# Altium PCB InsaneKeyboard.PcbDoc (part 4 of 4)
Units mil, origin at the board's own origin, x right, y up, seen from the top; angles counter-clockwise.
Board outline 7442.83 x 6333.68 mil, 4 copper layers (Top Layer, Int1 (GND), Int2 (GND), Bottom Layer), stack 60.6 mil thick; 288 components, 175 nets, 883 pads, 451 vias.
Unrouted connection lines stored in the file: 70.
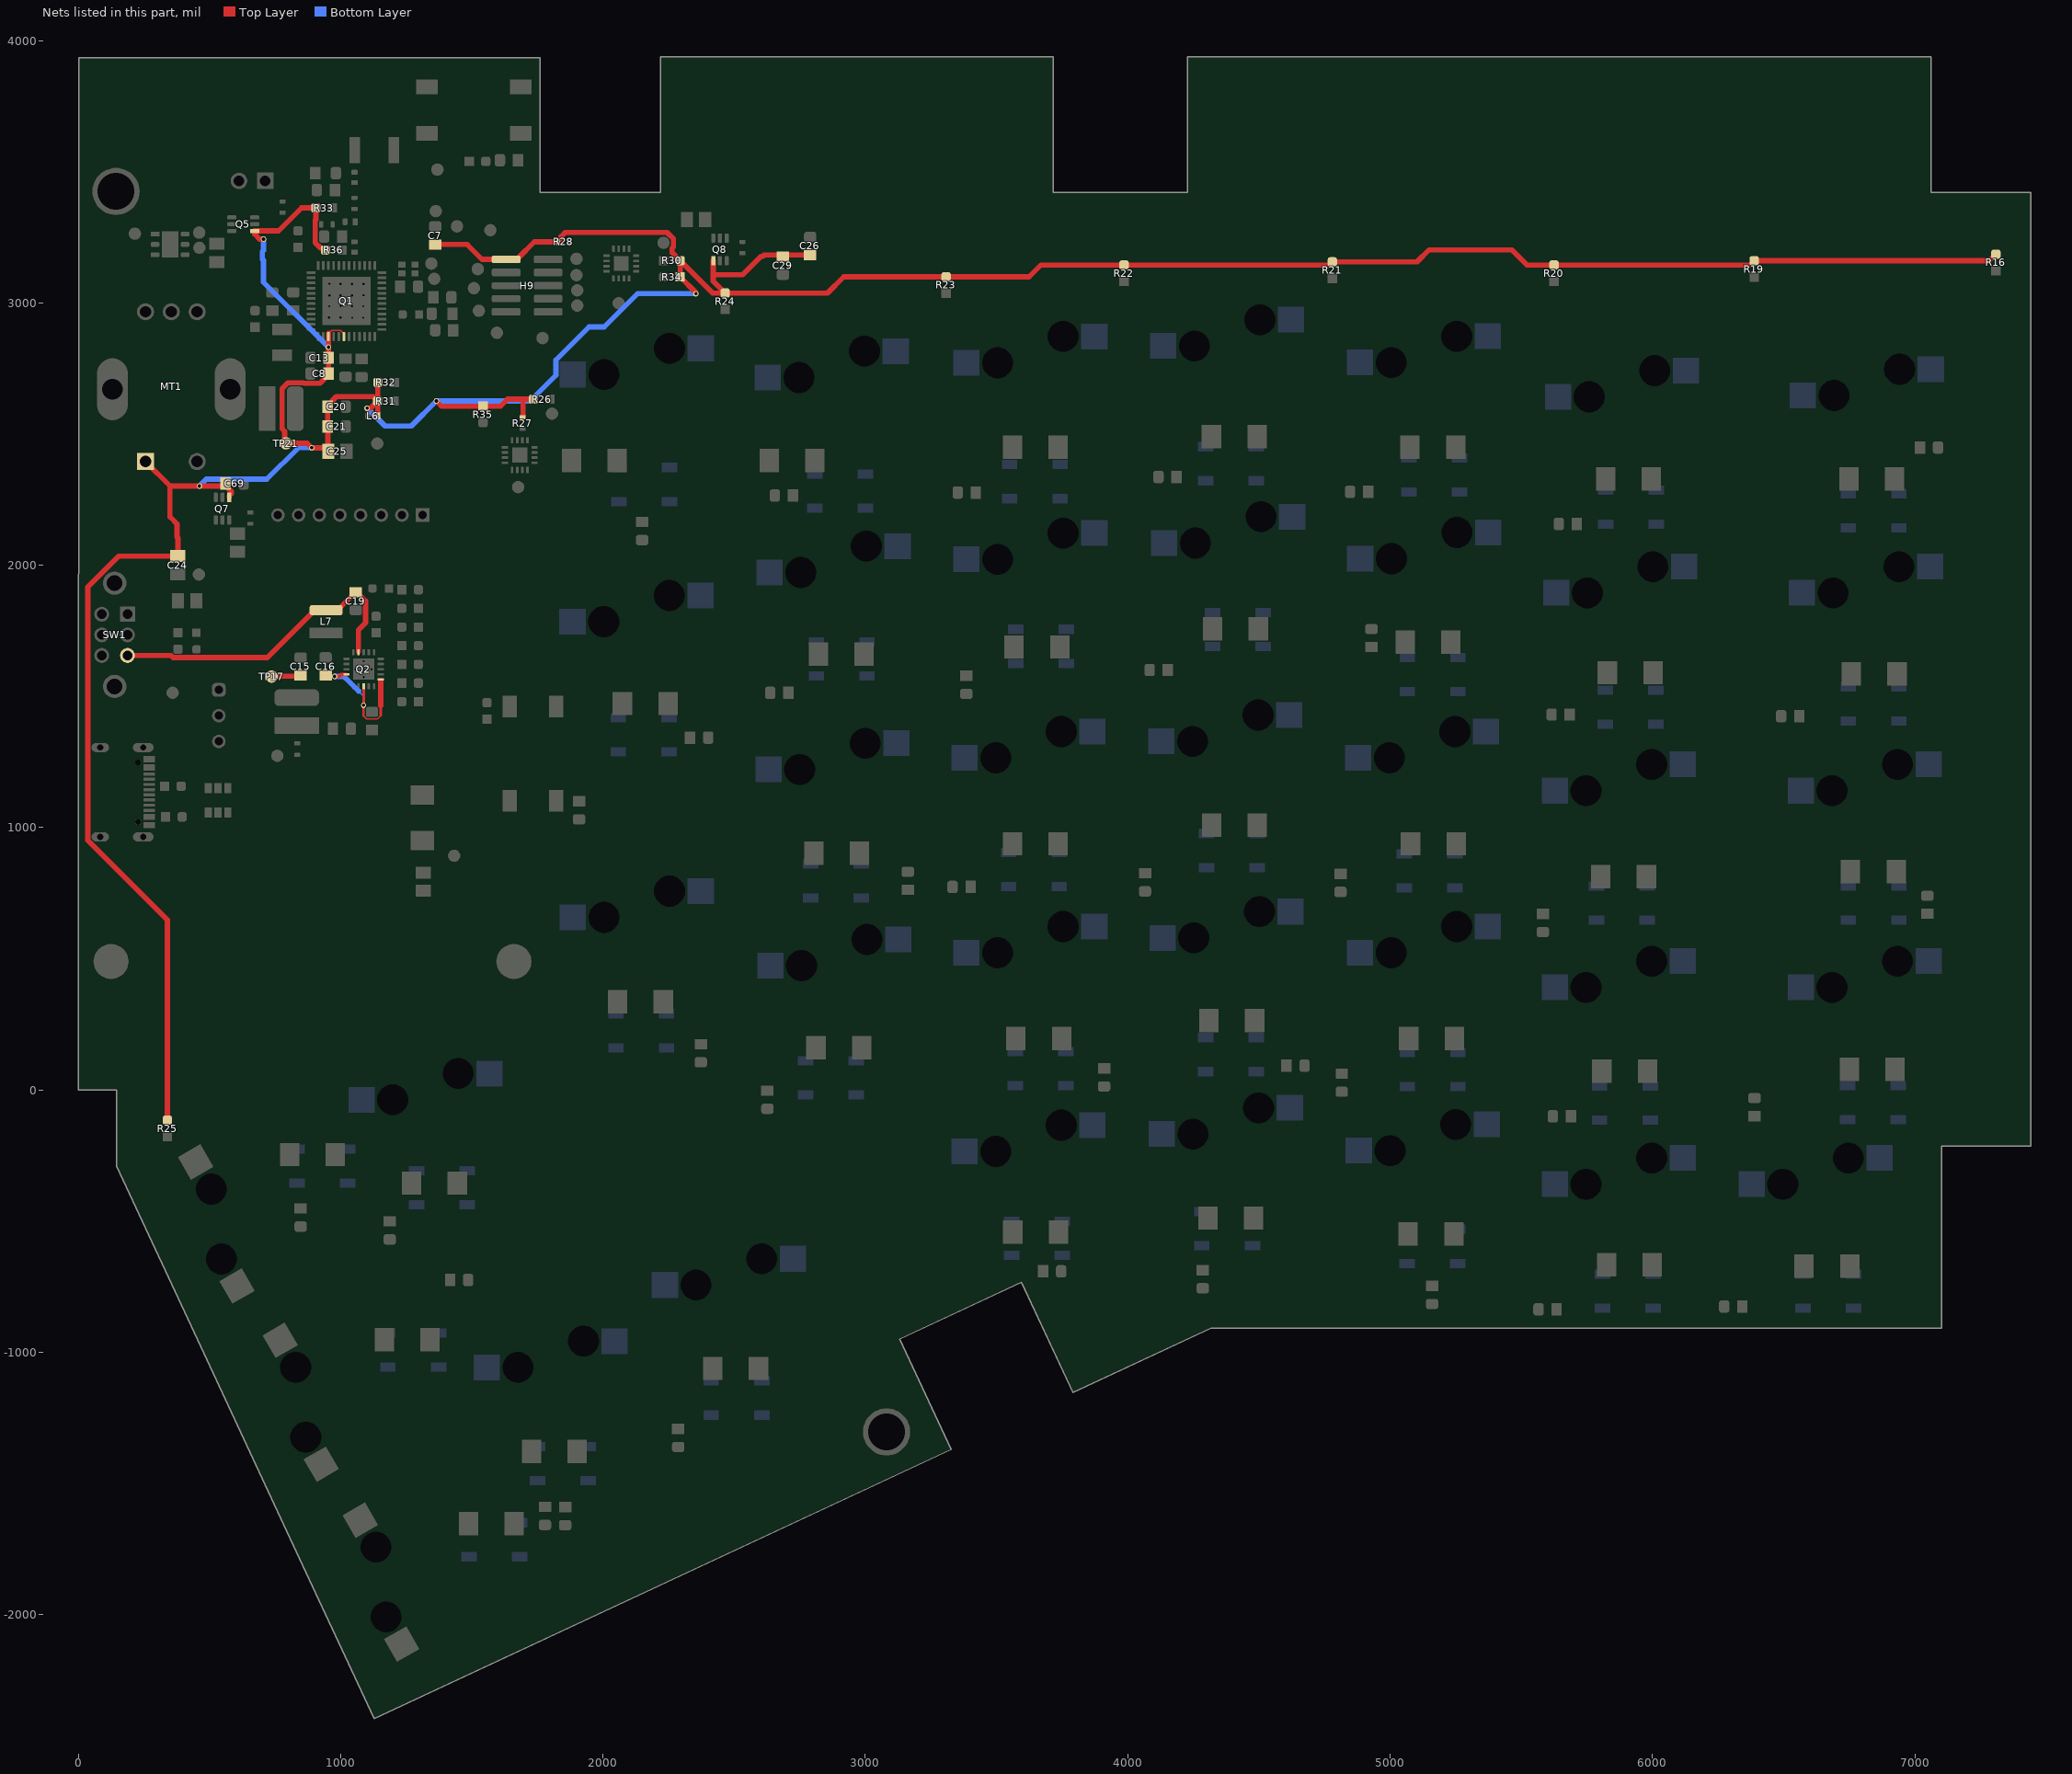
[diagram p6: the nets of this part, all layers, seen from the top]

## Via types
v1: diameter 21, hole 13, Top Layer to Bottom Layer, tented both sides, 278 vias
v2: diameter 21, hole 13, Top Layer to Bottom Layer, 172 vias
v3: diameter 23, hole 13, Top Layer to Bottom Layer, tented both sides, 1 vias

## Nets (pads, with @x,y where several pads share a name; then routed paths per layer and width w, separated by ;. In a path a pad name is that pad's centre, name@x,y a point inside that pad or via, vN(x,y) a via of type N, cw(c..) or ccw(c..) an arc to the next point about the centre after c; other vN are vias at no path point) (continued)
VMCU: C7.1 C8.1 C13.1 C20.1 C21.1 C24.2 C25.1 C26.1 C29.1 C69.1 H9.1 L6.1 MT1.1 Q1.39 Q1.42 Q5.1 Q7.1 Q8.1 R16.2 R19.2 R20.2 R21.2 R22.2 R23.2 R24.2 R25.2 R26.2 R27.1 R28.1 R30.2 R31.2 R32.2 R33.2 R34.1 R35.1 R36.2 TP21.1 | length 15056.9
  Top Layer w6: Q1.39@953.87,2883.68 965.98,2895.8 999.75,2895.8 1012.35,2883.2 Q1.42@1012.35,2878.8
  Top Layer w20: MT1.1@256.57,2395.41 349.98,2302 ; R25.2@340,-115 340,648.27 36.53,951.74 36.53,1917.08 154.45,2035 C24.2@380,2035 380,2103.87 376.5,2107.37 376.5,2157.71 349.98,2184.23 349.98,2302 ; Q7.1@575.59,2259.31 575.59,2264.9 584.46,2273.77 584.46,2279.93 562.37,2302.02 462.06,2302.02 349.98,2302 ; Q5.1@672.31,3274.41 763.69,3274.41 851.28,3362 R33.2@905.72,3362 905.72,3317.86 903.63,3315.77 903.63,3229.34 924.26,3208.72 935.62,3208.72 R36.2@942.72,3201.61 ; Q5.1@672.81,3272.28 672.81,3261.98 691.6,3243.19 705.81,3243.19 v1(706,3243) ; v1(890,2448) v1@890.19,2447.81 ; C25.1@951.95,2442.5 951.95,2527.6 C21.1@950.55,2529 950.55,2608.94 984.24,2642.62 1124.88,2642.62 R31.2@1141.5,2626 ; C25.1@953.35,2435 940.55,2447.81 v1@890.19,2447.81 ; Q1.39@953.87,2883.68 Q1.39@953.87,2871.87 953.93,2871.8 953.93,2831.07 954.19,2830.81 954.19,2791.26 C13.1@954.45,2791 C8.1@954.45,2727.06 ; C8.1@954.45,2731 C8.1@954.45,2727.06 ; v2(1101,2599) 1101.19,2599.19 1114.7,2599.19 R31.2@1141.5,2626 ; L6.1@1142.09,2571.6 1142.09,2625.41 R31.2@1141.5,2626 ; R32.2@1142.5,2697 1142,2696.5 1142,2626.5 R31.2@1141.5,2626 ; C7.1@1361,3222.55 1482.65,3222.55 1539.21,3166 H9.1@1631,3166 1635.5,3170.5 1676,3170.5 1738.5,3233 R28.1@1826.22,3233 ; v2(1365,2626) 1384.5,2606.5 1609.73,2606.5 1636.24,2633 1695.25,2633 ; R27.1@1694,2563.31 1695.25,2564.56 1695.25,2633 ; R26.2@1735.5,2633 1695.25,2633 ; R28.1@1830.47,3234.81 1839.78,3244.12 1839.78,3252.45 1856.15,3268.81 2244.39,3268.81 2268.62,3244.58 2268.62,3213.42 2263.64,3208.43 2263.64,3191.86 R30.2@2294.5,3161 R34.1@2294.5,3099 2354.31,3039.19 2354.31,3035.19 v2(2354.5,3035) ; R30.2@2295,3160.5 2418,3037.5 R24.2@2466,3037.5 ; Q8.1@2420.41,3160.69 2420.41,3107 ; C26.1@2790,3182.55 2614.34,3182.55 2609.34,3177.55 2602.38,3177.55 2531.83,3107 2477.96,3107 2420.41,3107 ; R16.2@7309,3185.5 7284,3160.5 R19.2@6388,3160.5 6372,3144.5 R20.2@5625,3144.5 5521.72,3144.5 5463.74,3202.48 5148.72,3202.48 5102.73,3156.5 R21.2@4780,3156.5 4768,3144.5 R22.2@3986,3144.5 3669.5,3144.5 3624.5,3099.5 R23.2@3308,3099.5 2918,3099.5 2856,3037.5 R24.2@2466,3037.5 ; v1@890.19,2447.81 889.92,2447.81 872.73,2465 TP21.1@792,2465 786.79,2470.21 786.79,2510.8 777,2520.58 777,2673.42 799.23,2695.65 858.86,2695.65 861.13,2693.38 920.76,2693.38 C8.1@954.45,2727.06 ; 2420.41,3107 2420.41,3083.09 R24.2@2466,3037.5
  Bottom Layer w20: v1(462.03,2302) 488.03,2328 719,2328 839,2448 v1(890,2448) ; v1(706,3243) 706,3199.79 701.5,3195.29 701.5,3166.71 706,3162.21 706,3079 v1(954,2831) ; v2(1101,2599) 1101.27,2599 1169.77,2530.5 1269.5,2530.5 v2(1365,2626) 1722.65,2626 1820.87,2724.22 1820.87,2782.01 1947.36,2908.51 2005.15,2908.51 2131.65,3035 v2(2354.5,3035)
VOUT: C19.1 L7.2 Q2.14 SW1.3 | length 1233.8
  Top Layer w20: SW1.3@188.21,1656.26 188.36,1656.11 353.85,1656.11 361.67,1648.28 720.98,1648.28 901.69,1829 L7.2@945,1829 988.31,1829 1044.38,1885.07 1044.38,1887.76 1054.06,1897.45 C19.1@1058,1897.45 1061.94,1897.45 1095.62,1863.76 1095.62,1780.92 1068.31,1753.61 Q2.14@1068.31,1670.77
VSTOR: C15.1 C16.1 Q2.3 Q2.6 Q2.19 TP17.1 | length 654.8
  Top Layer w6: 1087.44,1426.38 1099.14,1414.67 1140.65,1414.67 1152.96,1426.98
  Top Layer w9.67: 1087.44,1426.38 v2(1087.44,1466.81)
  Top Layer w10: v2@1087.9,1466.81 1088,1466.91 Q2.3@1088,1537.23
  Top Layer w10.88: 1152.96,1426.98 1152.96,1465.64
  Top Layer w15.21: v2(977.13,1576.54) 995.77,1576.54 1002.59,1583.35 Q2.19@1021.23,1583.35
  Top Layer w20: TP17.1@737,1576 738.78,1577.78 846.22,1577.78 C15.1@848,1579.55 ; 1152.96,1465.64 1152.96,1559.35
  Bottom Layer w6: 1068.75,1520.5 1088,1501.25
  Bottom Layer w10: v2(1087.44,1466.81) 1088,1467.37 1088,1501.25
  Bottom Layer w20: v2(977.13,1576.54) 977.33,1576.35 1012.9,1576.35 1068.75,1520.5
pads on no net: BT1.2 D2.3 D2.4 H3.2 J2. J2.A8 J2.B8 LED41.2-DOUT Q1.13 Q3.17 Q4.17 Q5.4 Q5.5 Q6. Q6.3 Q6.4 Q7.4 Q7.5 Q8.4 Q8.5 SW1.1 SW1.4 SW1.5 SW1.6 SW1.S1 SW1.S2 SW2.4 SW2.5 SW3.4 SW3.5 SW4.4 SW4.5 SW5.4 SW5.5 SW6.4 SW6.5 SW7.4 SW7.5 SW8.4 SW8.5 SW9.4 SW9.5 SW10.4 SW10.5 SW11.4 SW11.5 SW12.4 SW12.5 SW13.4 SW13.5 SW14.4 SW14.5 SW15.4 SW15.5 SW16.4 SW16.5 SW17.4 SW17.5 SW18.4 SW18.5 SW19.4 SW19.5 SW20.4 SW20.5 SW21.4 SW21.5 SW22.4 SW22.5 SW23.4 SW23.5 SW24.4 SW24.5 SW25.4 SW25.5 SW26.4 SW26.5 SW27.4 SW27.5 SW28.4 SW28.5 SW29.4 SW29.5 SW30.4 SW30.5 SW31.4 SW31.5 SW32.4 SW32.5 SW33.4 SW33.5 SW34.4 SW34.5 SW35.4 SW35.5 SW36.4 SW36.5 SW37.4 SW37.5 SW38.4 SW38.5 SW39.4 SW39.5

## Polygon pours and split planes (outlines as drawn)
GND on Top Layer "GND_L01_P006" (solid, remove dead copper, pour order 6): 22,3582 1766,3582 1766,3415 1771.22,3420.22 2219,3420.22 2219,3355 2219,3035 22,3035
GND on Top Layer "GND_L01_P005" (solid, pour order 5): 1028,1799 1028,1853 1088,1853 1090,1855 1090,1725 1053,1688 1053,1660 1054,1659 1173,1620 1060,1620 1043,1637 1043,1680 1044,1681 1034,1691 1034,1694 1032,1694 1029,1697
NetC17_1 on Top Layer "NETC17_1_L01_P004" (solid, pour order 4): 706,1420 707,1421 979,1421 990,1410 990,1286 1012,1264 1367,1264 1372,1259 1369,1256 1369,1071 1214,1071 1078,1207 939,1207 835,1311 707.12,1311
VOUT on Top Layer "VOUT_L01_P003" (solid, pour order 3): 996,1807 878,1807 873,1812 873,1999 1098,1999 1098,1866.14 1093.86,1862 1015,1862 1015,1807 1014,1808 987,1808
GND on Top Layer "GND_L01_P002" (solid, pour order 2): 825,1628 1012.36,1621 1035.36,1619 1035.36,1631.36 1012.36,1630.36 990.36,1656.36 977.36,1675.36 839.36,1675.36 820.36,1656.36
VSTOR on Top Layer "VSTOR_L01_P001" (solid, pour order 1): 763,1601 1000,1601 1011,1590 1035,1590 1035,1580 1034,1579 992,1579 963,1553 960,1553 759,1553 759,1613 775,1613
GND on Top Layer "GND_L01_P000" (solid, pour order 0): 707,1458 746,1458 746,1547 745,1548 707,1548 707,1482 707,1458 973,1458 973,1512 1018,1557 1043,1557 1043,1648 1040,1651 1042,1653 1130,1653 1130,1566 1134,1526 1121,1559 1052,1559 1056,1559 1054,1418 1072,1400 1070,1398 1070,1296 1008,1296 1007,1295 1000,1302 1000,1430 709,1430 707,1432
GND on Int1 (GND) (split plane): 3695.77,3420.22 3696.16,3416.29 3697.3,3412.52 3699.16,3409.05 3701.66,3406 3704.71,3403.51 3708.18,3401.65 3711.95,3400.5 3715.87,3400.12 4227.68,3400.12 4231.6,3400.5 4235.37,3401.65 4238.85,3403.51 4241.89,3406 4244.39,3409.05 4246.25,3412.52 4247.39,3416.29 4247.78,3420.22 4247.78,3918.58 7042.23,3918.58 7042.23,3420.21 7042.62,3416.29 7043.76,3412.52 7045.62,3409.05 7048.12,3406 7051.16,3403.5 7054.64,3401.65 7058.41,3400.5 7062.33,3400.12 7422.74,3400.12 7422.74,-194.37 7103.08,-194.37 7099.16,-194.75 7095.39,-195.9 7091.91,-197.76 7088.87,-200.25 7086.37,-203.3 7084.51,-206.77 7083.37,-210.54 7082.98,-214.47 7082.98,-887.68 4317.45,-887.68 4317.01,-887.73 4316.58,-887.7 4315.06,-887.92 4313.53,-888.07 4313.11,-888.2 4312.68,-888.26 4311.23,-888.77 4309.76,-889.21 4309.37,-889.42 4308.96,-889.57 3801,-1126.43 3613.49,-724.31 3611.48,-720.92 3608.85,-717.99 3605.7,-715.62 3602.15,-713.92 3598.33,-712.94 3594.4,-712.73 3590.5,-713.28 3586.78,-714.59 3122.92,-930.89 3119.53,-932.9 3116.6,-935.53 3114.23,-938.68 3112.53,-942.23 3111.55,-946.05 3111.34,-949.98 3111.89,-953.88 3113.2,-957.6 3300.71,-1359.72 1137.82,-2368.29 813.55,-1672.88 497.42,-994.93 166.53,-285.34 166.53,-0.09 166.14,3.83 165,7.6 163.14,11.07 160.64,14.12 157.59,16.62 154.12,18.47 150.35,19.62 146.43,20 20.11,20 21.77,3577.94 1739.9,3577.94 1739.9,3420.22 1740.29,3416.3 1741.43,3412.53 1743.29,3409.05 1745.79,3406.01 1748.83,3403.51 1752.31,3401.65 1756.08,3400.51 1760,3400.12 2219.81,3400.12 2223.73,3400.51 2227.5,3401.65 2230.97,3403.51 2234.02,3406.01 2236.52,3409.05 2238.38,3412.53 2239.52,3416.3 2239.91,3420.22 2239.91,3918.58 3695.77,3918.58
GND on Int2 (GND) (split plane): 3695.77,3420.22 3696.16,3416.29 3697.3,3412.52 3699.16,3409.05 3701.66,3406 3704.71,3403.51 3708.18,3401.65 3711.95,3400.5 3715.87,3400.12 4227.68,3400.12 4231.6,3400.5 4235.37,3401.65 4238.85,3403.51 4241.89,3406 4244.39,3409.05 4246.25,3412.52 4247.39,3416.29 4247.78,3420.22 4247.78,3918.58 7042.23,3918.58 7042.23,3420.21 7042.62,3416.29 7043.76,3412.52 7045.62,3409.05 7048.12,3406 7051.16,3403.5 7054.64,3401.65 7058.41,3400.5 7062.33,3400.12 7422.74,3400.12 7422.74,-194.37 7103.08,-194.37 7099.16,-194.75 7095.39,-195.9 7091.91,-197.76 7088.87,-200.25 7086.37,-203.3 7084.51,-206.77 7083.37,-210.54 7082.98,-214.47 7082.98,-887.68 4317.45,-887.68 4317.01,-887.73 4316.58,-887.7 4315.06,-887.92 4313.53,-888.07 4313.11,-888.2 4312.68,-888.26 4311.23,-888.77 4309.76,-889.21 4309.37,-889.42 4308.96,-889.57 3801,-1126.43 3613.49,-724.31 3611.48,-720.92 3608.85,-717.99 3605.7,-715.62 3602.15,-713.92 3598.33,-712.94 3594.4,-712.73 3590.5,-713.28 3586.78,-714.59 3122.92,-930.89 3119.53,-932.9 3116.6,-935.53 3114.23,-938.68 3112.53,-942.23 3111.55,-946.05 3111.34,-949.98 3111.89,-953.88 3113.2,-957.6 3300.71,-1359.72 1137.82,-2368.29 813.55,-1672.88 497.42,-994.93 166.53,-285.34 166.53,-0.09 166.14,3.83 165,7.6 163.14,11.07 160.64,14.12 157.59,16.62 154.12,18.47 150.35,19.62 146.43,20 20.11,20 21.77,3581.94 1739.9,3581.94 1739.9,3420.22 1740.29,3416.3 1741.43,3412.53 1743.29,3409.05 1745.79,3406.01 1748.83,3403.51 1752.31,3401.65 1756.08,3400.51 1760,3400.12 2219.81,3400.12 2223.73,3400.51 2227.5,3401.65 2230.97,3403.51 2234.02,3406.01 2236.52,3409.05 2238.38,3412.53 2239.52,3416.3 2239.91,3420.22 2239.91,3918.58 3695.77,3918.58

## Keep-outs
Keep-Out Layer:
  lines w20: 0.01,-0.09 146.43,-0.09 146.43,-289.8 479.2,-1003.43 795.33,-1681.38 1128.1,-2395 3327.42,-1369.44 3131.41,-949.1 3595.27,-732.8 3791.28,-1153.14 4317.45,-907.78 7103.08,-907.78 7103.08,-214.47 7442.84,-214.47 7442.84,3420.21 7062.33,3420.21 7062.33,3938.68 4227.68,3938.68 4227.68,3420.22 3715.87,3420.22 3715.87,3938.68 2219.81,3938.68 2219.81,3420.22 1758,3420.22 1758,3934 1.84,3934 0.01,-0.09

## Other copper
Int1 (GND) (plane layer: these items are gaps in the copper):
  region: 14,3916 1741,3916 1741,3581 14,3581
  lines w6: -5,3581 1753,3581
Int2 (GND) (plane layer: these items are gaps in the copper):
  region: 21,3917 1745,3917 1745,3588 21,3588
  lines w6: 11,3585 1760,3585

## Silkscreen, mask and mechanical layers (free items; w line width, h text height)
Top Overlay:
  text "MCU Reset" at 1394,3876 h30
  text "Temp Sensor" at 234,3313 h30
  text "SWD" at 1567,3217 h30
  text "DNP" at 335,1959 h30 r90
  text "IO exp Reset" at 1586,1049 h30 r90
  text "DNP" at 1272,752 h30 r90
Mechanical 13:
  circle w10: c4794,1531 r107.17
  circle w10: c1426,-1398 r129.63

## Text inside footprints (layer, text, board x,y; h text height)
J2: Mechanical 13 "PCB EDGE" at 9.19,930.43 h16 r270